# Altium PCB GBA_V1.PcbDoc (part 2 of 4)
Units mm, origin at the board's own origin, x right, y up, seen from the top; angles counter-clockwise.
Board outline 130.69 x 72.26 mm, 4 copper layers (Top Copper, Signal Layer 1, Signal Layer 2, Bottom Copper), stack 1.169 mm thick; 185 components, 167 nets, 812 pads, 417 vias.
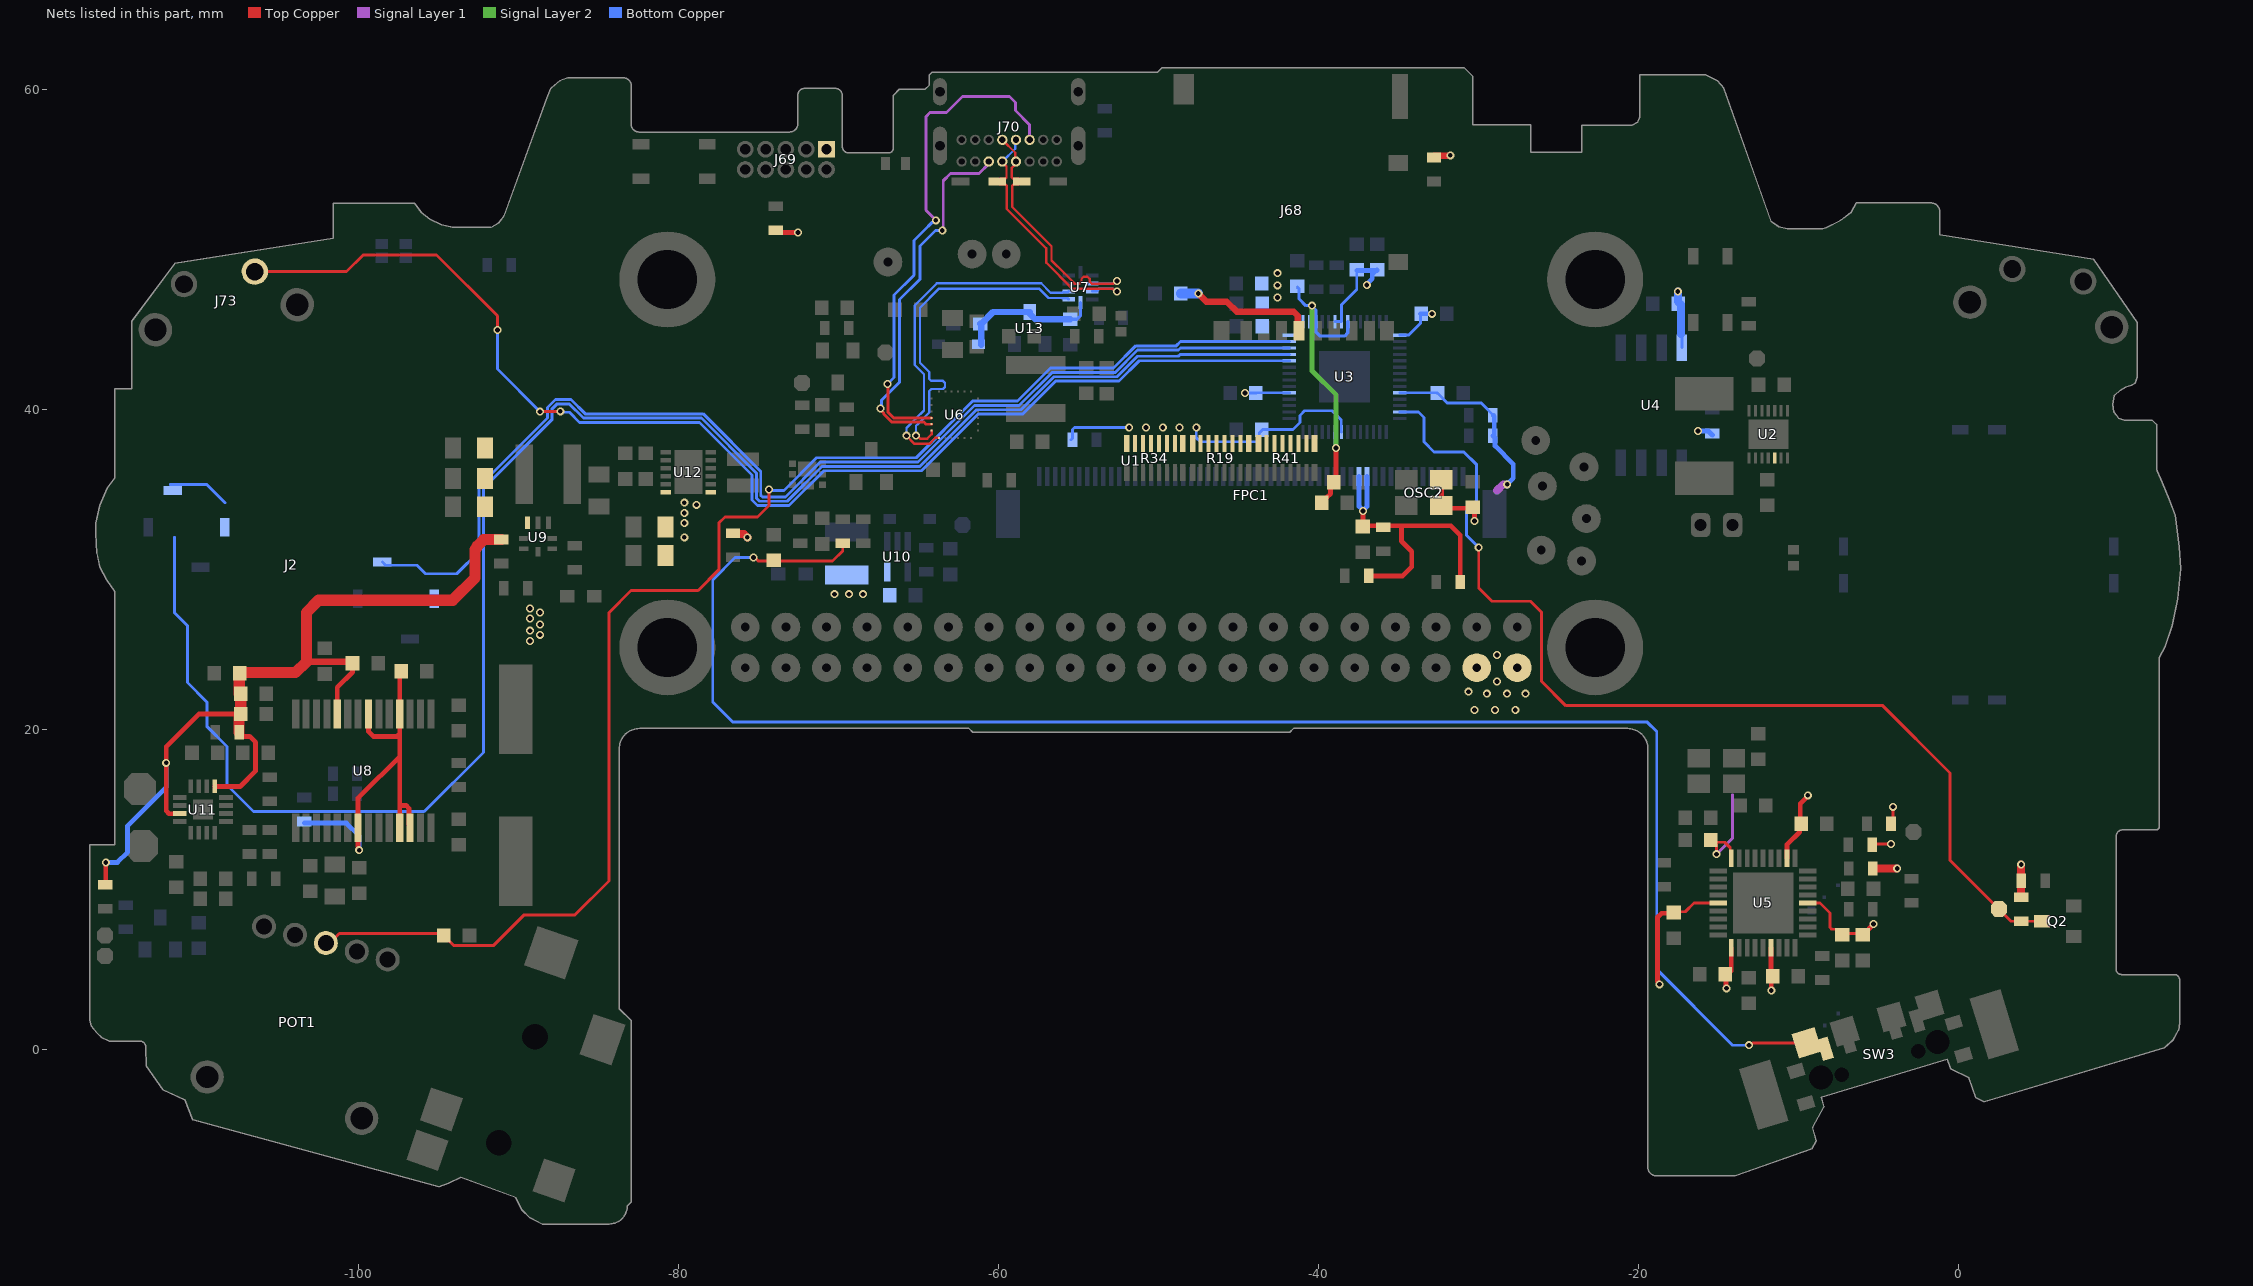
[diagram p4: the nets of this part, all layers, seen from the top]

## Part data
B1: library part MMZ1608B121CTAH0, "FERRITE BEAD 120 OHM 0603 1LN", Current Rating (Max)=600mA, DC Resistance (DCR) (Max)="150 mOhm", Manufacturer="TDK Corporation", Operating Temperature="-55°C ~ 125°C", Package / Case="0603 (1608 Metric)", Ratings=-, Supplier Part Number 1=445-2164-1-ND, Category=Filters, ComponentLink1Description=https://product.tdk.com/info/en/catalog/datasheets/beads_commercial_signal_mmz1608_en.pdf, ComponentLink1URL=https://product.tdk.com/info/en/catalog/datasheets/beads_commercial_signal_mmz1608_en.pdf, Filter Type="Signal Line", Height (Max)="0.030\" (0.75mm)", Manufacturer Part Number=MMZ1608B121CTAH0, Mounting Type="Surface Mount", Packaging="Cut Tape (CT)", Part Status=Active, Pricing 1="1=0.09, 10=0.062, 25=0.056, 50=0.0504, 100=0.0371, 250=0.02692, 500=0.02468, 1000=0.02132 (EUR)", RoHS="RoHS Compliant", Size / Dimension="0.063\" L x 0.032\" W (1.60mm x 0.80mm)", Stock 1=139504, Supplier 1=Digi-Key
C1: library part GRM188R60J474KA01D, "CAP CER 0.47UF 6.3V X5R 0603", Manufacturer="Murata Electronics North America", Operating Temperature="-55°C ~ 85°C", Package / Case="0603 (1608 Metric)", Ratings=-, Supplier Part Number 1=490-1548-1-ND, Temperature Coefficient=X5R, Tolerance=±10%, Voltage - Rated=6.3V, Applications="General Purpose", Category=Capacitors, ComponentLink1Description=https://www.murata.com/~/media/webrenewal/support/library/catalog/products/capacitor/mlcc/c02e.ashx?la=en-us, ComponentLink1URL=https://www.murata.com/~/media/webrenewal/support/library/catalog/products/capacitor/mlcc/c02e.ashx?la=en-us, Features=-, Height - Seated (Max)=-, Lead Spacing=-, Lead Style=-, Manufacturer Part Number=GRM188R60J474KA01D, Mounting Type="Surface Mount, MLCC", Notification="Current market demand for these product types have resulted in fluctuating and extending lead times. Lead times may differ.", Packaging="Cut Tape (CT)", Part Status="Not For New Designs", Pricing 1="1=0.13, 10=0.092, 100=0.0467, 500=0.032, 1000=0.0283 (GBP)", RoHS="RoHS Compliant", Size / Dimension="0.063\" L x 0.031\" W (1.60mm x 0.80mm)", Stock 1=40000, Supplier 1=Digi-Key, Thickness (Max)="0.035\" (0.90mm)"
C2 C25: library part CC0603KRX7R6BB104, "Multilayer Ceramic Capacitors MLCC - SMD/SMT 100nF 10V X7R 10%", Capacitance=100nF, Case Code (Imperial)=0603, Case Code (Metric)=1608, Dielectric=X7R, Manufacturer=Yageo, Max Operating Temperature=125°C, Min Operating Temperature=-55°C, Supplier Part Number 1=603-CC603KRX7R6BB104, Tolerance=10%, Voltage Rating=10V, Case/Package=0603, ComponentLink1Description=http://www.yageo.com/documents/recent/UPY-GPHC_X7R_6.3V-to-50V_8.pdf, ComponentLink1URL=http://www.yageo.com/documents/recent/UPY-GPHC_X7R_6.3V-to-50V_8.pdf, Composition=Ceramic, Depth=0.8mm, Halogen Free="Halogen Free", Height=0.8mm, Lead Free="Lead Free", Length=1.6mm, Manufacturer Part Number=CC0603KRX7R6BB104, Mount="Surface Mount", Packaging="Tape and Reel", Pricing 1="1=0.12, 10=0.06, 50=0.06, 100=0.027, 1000=0.022, 10000=0.016 (USD)", Radiation Hardening=No, Stock 1=15698, Supplier 1=Mouser, Termination=SMD/SMT, Thickness=0.035inch, Voltage Rating (DC)=10V, Weight=7.1E-05oz, Width=0.8mm
C3 C4 C5 C6 C7 C8 C9 C10 C11 C12 C13 C14 C15 C19 C34 C35 C36 C43 C47 C48 C51 C52 C53 C54 C62 C68 C70 C71 C72: library part 885012206071, "WURTH ELEKTRONIK         885012206071             SMD Multilayer Ceramic Capacitor, 0603 [1608 Metric], 0.1 F, 25 V,  10%, X7R, WCAP-CSGP Series", Capacitance=100nF, Case Code (Imperial)=0603, Case Code (Metric)=1608, Dielectric=X7R, Manufacturer="Wurth Electronics", Max Operating Temperature=125°C, Min Operating Temperature=-55°C, Supplier Part Number 1=710-885012206071, Tolerance=10%, Voltage Rating=25V, Case/Package=0603, Length=0.063inch, Manufacturer Part Number=885012206071, Mount="Surface Mount", Packaging="Cut Tape", Pricing 1="1=0.1, 10=0.046, 50=0.046, 100=0.041, 1000=0.036, 10000=0.036 (USD)", REACH SVHC=Unknown, Stock 1=202580, Supplier 1=Mouser, Thickness=0.037inch, Voltage Rating (DC)=25V, Width=0.031inch
C16 C20 C23: library part GRM188R61E225MA12D, "CAP CER 2.2UF 25V X5R 0603", Capacitance=2.2uF, Case Code (Imperial)=0603, Case Code (Metric)=1608, Dielectric=X5R, Manufacturer 1=Murata, Max Operating Temperature=85°C, Min Operating Temperature=-55°C, Package Quantity=4000, Supplier Part Number 1=81-GRM188R61E225MA2D, Tolerance=20%, Voltage Rating=25V, Case/Package=0603, ComponentLink1Description=http://www.mouser.com/ds/2/281/c02e-2905.pdf?src-supplier=Mouser, ComponentLink1URL=http://www.mouser.com/ds/2/281/c02e-2905.pdf?src-supplier=Mouser, ComponentLink2Description=http://search.murata.co.jp/Ceramy/image/img/A01X/G101/ENG/GRM188R61E225MA12-01.pdf?src-supplier=Digi-Key, ComponentLink2URL=http://search.murata.co.jp/Ceramy/image/img/A01X/G101/ENG/GRM188R61E225MA12-01.pdf?src-supplier=Digi-Key, Composition=Ceramic, Height=0.8mm, Length=0.063inch, Manufacturer Part Number 1=GRM188R61E225MA12D, Mount="Surface Mount", Packaging="Tape and Reel", Pricing 1="1=0,16000, 10=0,11500, 50=0,11500, 100=0,05400, 1000=0,03200, 10000=0,02300 (USD)", RoHS=Yes, Stock 1=103424, Supplier 1=Mouser, Termination=SMD/SMT, Thickness=0.035inch, Voltage Rating (DC)=25V, Weight=0.000222oz, Width=0.031inch
C17 C21 C22 C24 C49 C55 C56 C57 C63 C69: library part GRM188R61E106KA73D, "Cap Ceramic 10uF 25V X5R 10% SMD 0603 85°C Paper T/R", Case/Package=0603, Manufacturer 1=Murata, Supplier Part Number 1=81-GRM188R61E106KA3D, Manufacturer Part Number 1=GRM188R61E106KA73D, Pricing 1="1=0.37000, 10=0.25900, 50=0.25900, 100=0.15500, 500=0.11600, 1000=0.09800, 4000=0.07600, 8000=0.07000, 10000=0.07000, 12000=0.06300 (USD)", RoHS=No, Stock 1=265910, Supplier 1=Mouser
C18 C37 C38 C39 C40 C59 C60: library part GRM21BR61E226ME44K, "Multilayer Ceramic Capacitors MLCC - SMD/SMT", Capacitance=22uF, Case Code (Imperial)=0805, Case Code (Metric)=2012, Dielectric=X5R, Manufacturer=Murata, Max Operating Temperature=85°C, Min Operating Temperature=-55°C, Package Quantity=10000, Supplier Part Number 1=81-GRM21BR61E226ME4K, Tolerance=20%, Voltage Rating=25V, Case/Package=0805, Composition=Ceramic, Height=1.25mm, Length=0.079inch, Manufacturer Part Number=GRM21BR61E226ME44K, Mount="Surface Mount", Packaging="Tape and Reel", Pricing 1="1=0.54, 10=0.383, 50=0.383, 100=0.252, 1000=0.159, 10000=0.148 (USD)", Stock 1=50478, Supplier 1=Mouser, Termination=SMD/SMT, Thickness=0.057inch, Voltage Rating (DC)=25V, Weight=0.000335oz, Width=1.25mm
C26 C27: library part GCM1885C2A300JA16D, "Condensadores de cerámica multicapa (MLCC- SMD/SMT) 30pF 100Volts C0G 5%", Capacitance=30pF, Case Code (Imperial)=0603, Case Code (Metric)=1608, Dielectric=C0G, Manufacturer=Murata, Max Operating Temperature=125°C, Min Operating Temperature=-25°C, Package Quantity=4000, Ratings=AEC-Q200, Supplier Part Number 1=81-GCM1885C2A300JA6D, Tolerance=5%, Voltage Rating=100V, Case/Package=0603, ComponentLink1Description=http://search.murata.co.jp/Ceramy/image/img/w_hinm/S0717E.pdf?src-supplier=Digi-Key, ComponentLink1URL=http://search.murata.co.jp/Ceramy/image/img/w_hinm/S0717E.pdf?src-supplier=Digi-Key, ComponentLink2Description=http://www.murata.com/products/catalog/pdf/c03e.pdf?src-supplier=Avnet, ComponentLink2URL=http://www.murata.com/products/catalog/pdf/c03e.pdf?src-supplier=Avnet, Depth=0.8mm, Height=0.8mm, Length=1.6mm, Manufacturer Part Number=GCM1885C2A300JA16D, Mount="Surface Mount", Packaging="Tape and Reel", Pricing 1="1=0.15, 10=0.115, 50=0.115, 100=0.054, 1000=0.031, 10000=0.022 (USD)", Radiation Hardening=No, Stock 1=7933, Supplier 1=Mouser, Termination=SMD/SMT, Thickness=0.035inch, Voltage Rating (DC)=100V, Width=0.8mm
C28 C29 C31 C32 C33 C42 C58 C64 C65: library part CC0603KRX5R8BB105, "CAP CER 1UF 25V X5R 0603", Capacitance=1uF, Case Code (Imperial)=0603, Case Code (Metric)=1608, Dielectric=X5R, Manufacturer=Yageo, Max Operating Temperature=85°C, Min Operating Temperature=-55°C, Package Quantity=1, Supplier Part Number 1=603-CC603KRX5R8BB105, Tolerance=10%, Voltage Rating=25V, Case/Package=0603, ComponentLink1Description=https://datasheet.ciiva.com/176/mlccorderingcode-176785.pdf?src-supplier=Digi-Key, ComponentLink1URL=https://datasheet.ciiva.com/176/mlccorderingcode-176785.pdf?src-supplier=Digi-Key, ComponentLink2Description=https://datasheet.ciiva.com/176/mlccorderingcode-176786.pdf?src-supplier=Digi-Key, ComponentLink2URL=https://datasheet.ciiva.com/176/mlccorderingcode-176786.pdf?src-supplier=Digi-Key, ComponentLink3Description=https://datasheet.ciiva.com/176/mlccorderingcode-176787.pdf?src-supplier=Digi-Key, ComponentLink3URL=https://datasheet.ciiva.com/176/mlccorderingcode-176787.pdf?src-supplier=Digi-Key, ComponentLink4Description=https://datasheet.ciiva.com/17436/upy-gphc-x5r-4v-to-50v-12-17436952.pdf?src-supplier=Avnet+Europe, ComponentLink4URL=https://datasheet.ciiva.com/17436/upy-gphc-x5r-4v-to-50v-12-17436952.pdf?src-supplier=Avnet+Europe, ComponentLink5Description=https://datasheet.ciiva.com/7978/1525783-7978171.pdf?src-supplier=Element14, ComponentLink5URL=https://datasheet.ciiva.com/7978/1525783-7978171.pdf?src-supplier=Element14, ComponentLink6Description=https://datasheet.ciiva.com/11586/upy-gphc-x5r-4v-to-50v-12-11586318.pdf?src-supplier=Avnet, ComponentLink6URL=https://datasheet.ciiva.com/11586/upy-gphc-x5r-4v-to-50v-12-11586318.pdf?src-supplier=Avnet, Depth=0.8mm, Halogen Free="Halogen Free", Height=0.8mm, Lead Free="Lead Free", Length=1.6mm, Manufacturer Part Number=CC0603KRX5R8BB105, Mount="Surface Mount", Number of Pins=2, Packaging="Tape and Reel", Pricing 1="1 = 0,10000, 10 = 0,04700, 50 = 0,04700, 100 = 0,01700, 1000 = 0,01600, 10000 = 0,00800 (USD)", Radiation Hardening=No, REACH SVHC="No SVHC", RoHS=Yes, Supplier 1=Mouser, Termination=SMD/SMT, Thickness=0.035inch, Voltage Rating (DC)=25V, Width=0.031inch
  C28 C29 C31 C32 C33 C42 C64 C65: Stock 1=9567246
  C58: Stock 1=9605452
C30: library part CL21B106KOQNNNE, "CAP CER 10UF 16V X7R 0805", Manufacturer="Samsung Electro-Mechanics", Operating Temperature="-55°C ~ 125°C", Package / Case="0805 (2012 Metric)", Ratings=-, Supplier Part Number 1=1276-2872-1-ND, Temperature Coefficient=X7R, Tolerance=±10%, Voltage - Rated=16V, Applications="General Purpose", Category=Capacitors, ComponentLink1Description=http://www.samsungsem.com/kr/support/product-search/mlcc/CL21B106KOQNNNE.jsp, ComponentLink1URL=http://www.samsungsem.com/kr/support/product-search/mlcc/CL21B106KOQNNNE.jsp, Features=-, Height - Seated (Max)=-, Lead Spacing=-, Lead Style=-, Manufacturer Part Number=CL21B106KOQNNNE, Mounting Type="Surface Mount, MLCC", Notification="Current market demand for these product types have resulted in fluctuating and extending lead times. Lead times may differ.", Packaging="Cut Tape (CT)", Part Status=Active, Pricing 1="1=0.24, 10=0.163, 100=0.0923, 500=0.06514, 1000=0.057 (GBP)", RoHS="RoHS Compliant", Size / Dimension="0.079\" L x 0.049\" W (2.00mm x 1.25mm)", Stock 1=20000, Supplier 1=Digi-Key, Thickness (Max)="0.055\" (1.40mm)"
C41 C50 C61 C73: library part TMK107BBJ475MA-T, "Condensadores de cerámica multicapa (MLCC- SMD/SMT) 0603 25VDC 4.7uF 20% X5R", Manufacturer 1="Taiyo Yuden", Supplier Part Number 1=963-TMK107BBJ475MA-T, Manufacturer Part Number 1=TMK107BBJ475MA-T, Pricing 1="1=0.31000, 10=0.15200, 50=0.15200, 100=0.10900, 1000=0.08300, 10000=0.06500 (USD)", RoHS=No, Stock 1=7442, Supplier 1=Mouser
C66 C67: library part 885012206074, "CAP CER 0.33UF 25V X7R 0603", Capacitance=330nF, Case Code (Imperial)=0603, Case Code (Metric)=1608, Manufacturer 1="Wurth Electronics", Max Operating Temperature=125°C, Min Operating Temperature=-55°C, Supplier Part Number 1=710-885012206074, Tolerance=10%, Voltage Rating=25V, Case/Package=0603, Category="Ceramic Capacitors", ComponentLink1Description=http://www.farnell.com/datasheets/2031845.pdf?src-supplier=Farnell, ComponentLink1URL=http://www.farnell.com/datasheets/2031845.pdf?src-supplier=Farnell, ComponentLink2Description=https://katalog.we-online.de/pbs/datasheet/885012206074.pdf?src-supplier=Digi-Key, ComponentLink2URL=https://katalog.we-online.de/pbs/datasheet/885012206074.pdf?src-supplier=Digi-Key, ComponentLink3Description=http://www.farnell.com/datasheets/2031845.pdf?src-supplier=Newark, ComponentLink3URL=http://www.farnell.com/datasheets/2031845.pdf?src-supplier=Newark, Length=0.063inch, Manufacturer Part Number 1=885012206074, Mount="Surface Mount", Packaging="Tape and Reel", Pricing 1="1=0,10000, 10=0,08100, 25=0,08100, 50=0,08100, 100=0,07300, 250=0,07300 (USD)", RoHS=Yes, Stock 1=4921, Supplier 1=Mouser, Thickness=0.037inch, Width=0.031inch
C74 C75: library part CC0603JRNPO8BN180, "Cap Ceramic 18pF 25V C0G 5% SMD 0603 125C Paper T/R", Capacitance=18pF, Case Code (Imperial)=0603, Case Code (Metric)=1608, Dielectric=C0G, Manufacturer 1=Yageo, Max Operating Temperature=125°C, Min Operating Temperature=-55°C, Supplier Part Number 1=603-CC603JRNPO8BN180, Tolerance=5%, Voltage Rating=25V, Case/Package=0603, ComponentLink1Description=https://datasheet.ciiva.com/13263/upy-gp-np0-16v-to-50v-8-3714-13263805.pdf?src-supplier=Mouser, ComponentLink1URL=https://datasheet.ciiva.com/13263/upy-gp-np0-16v-to-50v-8-3714-13263805.pdf?src-supplier=Mouser, Composition=Ceramic, Length=0.063inch, Manufacturer Part Number 1=CC0603JRNPO8BN180, Mount="Surface Mount", Packaging="Tape and Reel", Pricing 1="1=0.10000, 10=0.04200, 50=0.04200, 100=0.01900, 1000=0.01500, 10000=0.01000 (USD)", RoHS=Yes, Stock 1=521, Supplier 1=Mouser, Termination=SMD/SMT, Thickness=0.035inch, Voltage Rating (DC)=25V, Weight=7.1E-05oz, Width=0.031inch
D1: library part NSR0240HT1G, "DIODE SCHOTTKY 40V 250MA SOD323", Average Rectified Current=250mA, Case/Package=SOD-323-2, Forward Voltage=710mV, Manufacturer="ON Semiconductor", Max Forward Surge Current (Ifsm)=1A, Max Operating Temperature=150°C, Max Repetitive Reverse Voltage (Vrrm)=40V, Max Reverse Leakage Current=10uA, Min Operating Temperature=-55°C, Package Quantity=1, Power Dissipation=270mW, Supplier Part Number 1=863-NSR0240HT1G, ComponentLink1Description=https://datasheet.ciiva.com/4714/nsr0240h-d-113658-4714368.pdf?src-supplier=Mouser, ComponentLink1URL=https://datasheet.ciiva.com/4714/nsr0240h-d-113658-4714368.pdf?src-supplier=Mouser, ComponentLink2Description=https://datasheet.ciiva.com/8293/nsr0240h-d-8293840.pdf?src-supplier=Avnet, ComponentLink2URL=https://datasheet.ciiva.com/8293/nsr0240h-d-8293840.pdf?src-supplier=Avnet, ComponentLink3Description=https://datasheet.ciiva.com/25949/nsr0240h-d-25949637.pdf?src-supplier=Avnet+Europe, ComponentLink3URL=https://datasheet.ciiva.com/25949/nsr0240h-d-25949637.pdf?src-supplier=Avnet+Europe, ComponentLink4Description=https://datasheet.ciiva.com/915/nsr0240h-d-915416.pdf?src-supplier=Digi-Key, ComponentLink4URL=https://datasheet.ciiva.com/915/nsr0240h-d-915416.pdf?src-supplier=Digi-Key, ComponentLink5Description=https://datasheet.ciiva.com/915/nsr0240h-d-915417.pdf?src-supplier=Digi-Key, ComponentLink5URL=https://datasheet.ciiva.com/915/nsr0240h-d-915417.pdf?src-supplier=Digi-Key, ComponentLink6Description=https://datasheet.ciiva.com/16396/nsr0240h-d-16396521.pdf?src-supplier=Future+Electronics, ComponentLink6URL=https://datasheet.ciiva.com/16396/nsr0240h-d-16396521.pdf?src-supplier=Future+Electronics, ComponentLink7Description=https://datasheet.ciiva.com/915/nsr0240h-d-915418.pdf?src-supplier=Digi-Key, ComponentLink7URL=https://datasheet.ciiva.com/915/nsr0240h-d-915418.pdf?src-supplier=Digi-Key, ComponentLink8Description=https://datasheet.ciiva.com/7963/nsr0240h-d-7963165.pdf?src-supplier=Element14, ComponentLink8URL=https://datasheet.ciiva.com/7963/nsr0240h-d-7963165.pdf?src-supplier=Element14, Contact Plating=Tin, Element Configuration=Single, Forward Current=250mA, Height=1mm, Lead Free="Lead Free", Length=1.8mm, Manufacturer Part Number=NSR0240HT1G, Max Reverse Voltage (DC)=40V, Max Surge Current=1A, Number of Pins=2, Packaging="Tape and Reel", Peak Non-Repetitive Surge Current=1A, Peak Reverse Current=10uA, Pricing 1="1 = 0,23000, 10 = 0,15400, 50 = 0,15400, 100 = 0,06500, 1000 = 0,04400, 10000 = 0,03000 (USD)", Radiation Hardening=No, REACH SVHC="No SVHC", Recovery Time=3ns, Reverse Recovery Time=3ns, RoHS=Yes, Stock 1=30582, Supplier 1=Mouser, Width=1.35mm
ESD1: library part ESDA25P35-1U1M, "STMICROELECTRONICS - ESDA25P35-1U1M - ESD Protection Device, Unidirectional, 41 V, QFN, 2 Pins", Case/Package=1610, Clamping Voltage=41V, Manufacturer=STMicroelectronics, Max Operating Temperature=150°C, Min Breakdown Voltage=23.3V, Min Operating Temperature=-55°C, Peak Pulse Current=35A, Peak Pulse Power=1.4kW, Power Line Protection=No, Resistor Type=Zener, Reverse Standoff Voltage=22V, Supplier Part Number 1=511-ESDA25P35-1U1M, Category="TVS Diodes", ComponentLink1Description=http://www.farnell.com/datasheets/2236209.pdf?src-supplier=Farnell, ComponentLink1URL=http://www.farnell.com/datasheets/2236209.pdf?src-supplier=Farnell, ComponentLink2Description=http://www.st.com/content/ccc/resource/technical/document/datasheet/group3/e4/43/53/b9/4e/8a/40/bb/DM00312034/files/DM00312034.pdf/jcr:content/translations/en.DM00312034.pdf?src-supplier=Digi-Key, ComponentLink2URL=http://www.st.com/content/ccc/resource/technical/document/datasheet/group3/e4/43/53/b9/4e/8a/40/bb/DM00312034/files/DM00312034.pdf/jcr:content/translations/en.DM00312034.pdf?src-supplier=Digi-Key, ComponentLink3Description=http://www.farnell.com/datasheets/2236209.pdf?src-supplier=Element14, ComponentLink3URL=http://www.farnell.com/datasheets/2236209.pdf?src-supplier=Element14, ComponentLink4Description=http://www.farnell.com/datasheets/2236209.pdf?src-supplier=Newark, ComponentLink4URL=http://www.farnell.com/datasheets/2236209.pdf?src-supplier=Newark, Manufacturer Part Number=ESDA25P35-1U1M, Mount="Surface Mount", Number of Pins=2, Number of Unidirectional Channels=1, Packaging="Tape and Reel", RoHS=Yes, RoHS Compliant=Yes, Stock 1=23753, Supplier 1=Mouser
FPC1: library part F32Q-1A7H1-11054, "FPC/FFC Connector Socket 54 Position 0.5mm Top Contact Solder Right Angle Surface Mount T/R", Manufacturer="Amphenol ICC / FCI", Supplier Part Number 1=649-F32Q-1A7H1-11054, Category="FFC / FPC", Manufacturer Part Number=F32Q-1A7H1-11054, Pricing 1="1=1,34, 10=1,06, 50=1,06, 100=0,919, 1000=0,627, 10000=0,597 (USD)", RoHS=No, Stock 1=5116, Supplier 1=Mouser
J1: library part D_PAD
J2: library part BUTTONS
J68: library part DM3AT-SF-PEJM5, "CONN MICRO SD CARD PUSH-PUSH R/A", Current Rating=500mA, Flammability Rating="UL94 V-0", Manufacturer 1=Hirose, Max Operating Temperature=85°C, Max Voltage Rating (AC)=125V, Min Operating Temperature=-25°C, Package Quantity=1, Supplier Part Number 1=798-DM3AT-SF-PEJM5, Category="Card Edge Connectors", ComponentLink1Description=https://datasheet.ciiva.com/683/e60900232-683393.pdf?src-supplier=Digi-Key, ComponentLink1URL=https://datasheet.ciiva.com/683/e60900232-683393.pdf?src-supplier=Digi-Key, ComponentLink2Description=https://datasheet.ciiva.com/683/e60900232-683394.pdf?src-supplier=Digi-Key, ComponentLink2URL=https://datasheet.ciiva.com/683/e60900232-683394.pdf?src-supplier=Digi-Key, ComponentLink3Description=https://datasheet.ciiva.com/683/e60900232-683395.pdf?src-supplier=Digi-Key, ComponentLink3URL=https://datasheet.ciiva.com/683/e60900232-683395.pdf?src-supplier=Digi-Key, ComponentLink4Description=https://datasheet.ciiva.com/46418/1697167-46418261.pdf?src-supplier=Element14, ComponentLink4URL=https://datasheet.ciiva.com/46418/1697167-46418261.pdf?src-supplier=Element14, ComponentLink5Description=https://datasheet.ciiva.com/3122/e60900232-3122534.pdf?src-supplier=Avnet, ComponentLink5URL=https://datasheet.ciiva.com/3122/e60900232-3122534.pdf?src-supplier=Avnet, ComponentLink6Description=https://datasheet.ciiva.com/46418/1697167-46418262.pdf?src-supplier=Element14, ComponentLink6URL=https://datasheet.ciiva.com/46418/1697167-46418262.pdf?src-supplier=Element14, ComponentLink7Description=https://datasheet.ciiva.com/16205/e60900232-16205727.pdf?src-supplier=Future+Electronics, ComponentLink7URL=https://datasheet.ciiva.com/16205/e60900232-16205727.pdf?src-supplier=Future+Electronics, Connector Type=Connector, Contact Material="Copper Alloy", Contact Plating=Gold, Depth=15.95mm, Gender=Female, Height=1.68mm, Housing Material=Polymer, Lead Free="Lead Free", Length=15.95mm, Manufacturer Part Number 1=DM3AT-SF-PEJM5, Max Current Rating=500mA, Mount="Surface Mount,Standard", Number of Contacts=8, Number of Positions=8, Number of Rows=1, Orientation="Right Angle", Packaging="Tape and Reel", Pitch=1.1mm, Pricing 1="1=2,61000, 10=2,32000, 25=2,13000, 100=2,03000, 250=1,84000, 500=1,69000 (USD)", Radiation Hardening=No, REACH SVHC="No SVHC", RoHS=Yes, Stock 1=5089, Supplier 1=Mouser, Termination=SMD/SMT, Voltage Rating=125V, Width=13.85mm
J69: library part 20021111-00010T1LF, "Conn Unshrouded Header HDR 10 POS 1.27mm Solder ST Thru-Hole Tube", Color=Black, Contact Resistance=30mR, Manufacturer 1="Amphenol FCI", Max Operating Temperature=85°C, Max Voltage Rating (AC)=125V, Min Operating Temperature=-40°C, Package Quantity=93, Supplier Part Number 1=649-200211110010T1LF, ComponentLink1Description=http://www.mouser.com/ds/2/154/minitek127_catalogue-79600.pdf?src-supplier=Mouser, ComponentLink1URL=http://www.mouser.com/ds/2/154/minitek127_catalogue-79600.pdf?src-supplier=Mouser, ComponentLink2Description=http://components.arrow.com/part/dataview/0323_00886572?src-supplier=Arrow+Europe, ComponentLink2URL=http://components.arrow.com/part/dataview/0323_00886572?src-supplier=Arrow+Europe, ComponentLink3Description=http://components.arrow.com/part/dataview/48961252S8521297N8314?src-supplier=Arrow, ComponentLink3URL=http://components.arrow.com/part/dataview/48961252S8521297N8314?src-supplier=Arrow, ComponentLink4Description=http://portal.fciconnect.com/Comergent//fci/drawing/20021111.pdf?src-supplier=Digi-Key, ComponentLink4URL=http://portal.fciconnect.com/Comergent//fci/drawing/20021111.pdf?src-supplier=Digi-Key, ComponentLink5Description=http://portal.fciconnect.com/Comergent/fci/drawing/20021111.pdf?src-supplier=Avnet, ComponentLink5URL=http://portal.fciconnect.com/Comergent/fci/drawing/20021111.pdf?src-supplier=Avnet, Connector Type="Male Pin", Contact Material="Copper Alloy", Contact Mating Length=0.12inch, Contact Plating=Gold, Contact Post Length=2.3mm, Depth=3.4mm, Housing Color=Black, Housing Material=Thermoplastic, Length=6.35mm, Manufacturer Part Number 1=20021111-00010T1LF, Mount="Through Hole", Number of Contacts=10, Number of Positions=10, Number of Rows=2, Orientation=Straight, Packaging=Rail/Tube, Pitch=1.27mm, Pricing 1="1=0,62000, 10=0,46900, 100=0,44900, 500=0,39100, 1000=0,32200, 2500=0,29300, 5000=0,28300 (USD)", RoHS=Yes, Row Spacing=0.05inch, Stock 1=552, Supplier 1=Mouser, Termination=Solder
J70: library part USB4085-GF-A, "USB4085 Series 20 V PCB Top Mount USB 2.0 Type C Receptacle", Manufacturer="Global Connector Technology", Supplier Part Number 1=640-USB4085-GF-A, Category="USB Connectors", ComponentLink1Description=https://datasheet.ciiva.com/71788/2674755-71788146.pdf?src-supplier=Element14, ComponentLink1URL=https://datasheet.ciiva.com/71788/2674755-71788146.pdf?src-supplier=Element14, ComponentLink2Description=https://datasheet.ciiva.com/71788/usb4085-71788147.pdf?src-supplier=Digi-Key, ComponentLink2URL=https://datasheet.ciiva.com/71788/usb4085-71788147.pdf?src-supplier=Digi-Key, Contact Material="Copper Alloy", Contact Plating=Gold, Gender=Receptacle, Manufacturer Part Number=USB4085-GF-A, Number of Positions=16, Orientation="Right Angle", RoHS=Yes, Supplier 1=Mouser, USB Standard="USB 2.0"
J71: library part S2B-PH-K-S(LF)(SN), "CONN HEADER R/A 2POS 2MM", Current Rating=2A, Insulation Color=Natural, Manufacturer="JST Sales America Inc.", Material Flammability Rating="UL94 V-0", Operating Temperature="-25°C ~ 85°C", Supplier Part Number 1=455-1719-ND, Voltage Rating=100V, Applications=-, Category="Connectors, Interconnects", ComponentLink1Description=http://www.jst-mfg.com/product/pdf/eng/ePH.pdf, ComponentLink1URL=http://www.jst-mfg.com/product/pdf/eng/ePH.pdf, Connector Type=Header, Contact Finish - Mating=Tin, Contact Finish - Post=Tin, Contact Finish Thickness - Mating=-, Contact Finish Thickness - Post=-, Contact Length - Mating="0.130\" (3.30mm)", Contact Length - Post="0.134\" (3.40mm)", Contact Material=Brass, Contact Shape=Square, Contact Type="Male Pin", Fastening Type="Detent Lock", Features=-, Ingress Protection=-, Insulation Height="0.189\" (4.80mm)", Insulation Material="Polyamide (PA66), Nylon 6/6", Manufacturer Part Number=S2B-PH-K-S(LF)(SN), Mated Stacking Heights=-, Mounting Type="Through Hole, Right Angle", Number of Positions=2, Number of Positions Loaded=All, Number of Rows=1, Overall Contact Length=-, Packaging=Bulk, Part Status=Active, Pitch - Mating="0.079\" (2.00mm)", Pricing 1="1=0.13, 10=0.127, 100=0.078, 500=0.06454, 1000=0.05647, 5000=0.0484, 10000=0.04706 (GBP)", RoHS="RoHS Compliant", Row Spacing - Mating=-, Shrouding="Shrouded - 4 Wall", Stock 1=201097, Style="Board to Cable/Wire", Supplier 1=Digi-Key, Termination="Press-Fit, Solder"
J72: library part 35RASMT4BHNTRX, "SWC 35RASMT4BHNTRX Connectors > Audio - Video > Jacks (Audio) > 1/4 Audio Jacks", Manufacturer=Switchcraft, Supplier Part Number 1=502-35RASMT4BHNTRX, Category="Circular Connectors", ComponentLink1Description=https://datasheet.ciiva.com/390/35rasmt4bhntrx-cd-390487.pdf?src-supplier=Digi-Key, ComponentLink1URL=https://datasheet.ciiva.com/390/35rasmt4bhntrx-cd-390487.pdf?src-supplier=Digi-Key, ComponentLink2Description=https://datasheet.ciiva.com/11720/0900766b80e28029-11720622.pdf?src-supplier=RSComponents, ComponentLink2URL=https://datasheet.ciiva.com/11720/0900766b80e28029-11720622.pdf?src-supplier=RSComponents, ComponentLink3Description=https://datasheet.ciiva.com/390/35rasmt4bhntrx-cd-390488.pdf?src-supplier=Digi-Key, ComponentLink3URL=https://datasheet.ciiva.com/390/35rasmt4bhntrx-cd-390488.pdf?src-supplier=Digi-Key, ComponentLink4Description=https://datasheet.ciiva.com/390/35rasmt4bhntrx-cd-390489.pdf?src-supplier=Digi-Key, ComponentLink4URL=https://datasheet.ciiva.com/390/35rasmt4bhntrx-cd-390489.pdf?src-supplier=Digi-Key, Manufacturer Part Number=35RASMT4BHNTRX, Pricing 1="1=1,60000, 10=1,31000, 50=1,31000, 100=1,25000, 250=1,13000, 500=1,04000, 1000=0,95900, 10000=0,95900 (USD)", RoHS=Yes, Stock 1=5330, Supplier 1=Mouser
J73 J74: library part "L/R Shoulder", "Buy on Aliexpress"
J75: library part START_SELECT, "Start Select"
L1 L2: library part TYA40201R0M-10, "Inductores fijos 1uH 8.7A 20% Wire Wound", Manufacturer=Laird, Supplier Part Number 1=739-TYA40201R0M-10, Manufacturer Part Number=TYA40201R0M-10, RoHS=No, Stock 1=11697, Supplier 1=Mouser
L3: library part IN-S66TATRGB, "LED Tri-Color Blue/Green/Red 470nm/530nm/630nm Automotive 4-Pin SMD T/R", Case Code (Imperial)=0606, Case Code (Metric)=1616, Color=Blue,Green,Red, Forward Voltage=3.2V, Lens Color=Clear, Manufacturer=Inolux, Supplier Part Number 1=743-IN-S66TATRGB, Test Current=20mA, Case/Package=0606, Category=LEDs, ComponentLink1Description=http://www.inolux-corp.com/datasheet/SMDLED/RGB%20Top%20View/IN-S66TATRGB_V1.0.pdf?src-supplier=Digi-Key, ComponentLink1URL=http://www.inolux-corp.com/datasheet/SMDLED/RGB%20Top%20View/IN-S66TATRGB_V1.0.pdf?src-supplier=Digi-Key, Dominant Wavelength=468nm, Element Configuration="Common Anode", Height=0.55mm, Length=1.6mm, Lens Size=1.15mm, Lens Style=Flat, Lens Transparency=Clear, Luminous Intensity=110mcd, Manufacturer Part Number=IN-S66TATRGB, Mount="Surface Mount", Packaging="Cut Tape", Pricing 1="1=0,42000, 10=0,26300, 50=0,26300, 100=0,15400, 1000=0,12100, 10000=0,09600 (USD)", RoHS=No, Stock 1=12490, Supplier 1=Mouser, Viewing Angle=120°, Width=1.5mm
L4: library part TYA2520102R2M-10, "Inductores fijos 2.2uH 1.9A 20% Wire Wound", Manufacturer=Laird, Supplier Part Number 1=739-TYA2520102R2M-10, Manufacturer Part Number=TYA2520102R2M-10, RoHS=No, Stock 1=6663, Supplier 1=Mouser